# Altium PCB STM PCB.PcbDoc (part 1 of 3)
Units mm, origin at the board's own origin, x right, y up, seen from the top; angles counter-clockwise.
Board outline 66 x 113.5 mm, 4 copper layers (L1, GND, PWR, L2), stack 0.603 mm thick; 161 components, 199 nets, 817 pads, 466 vias.
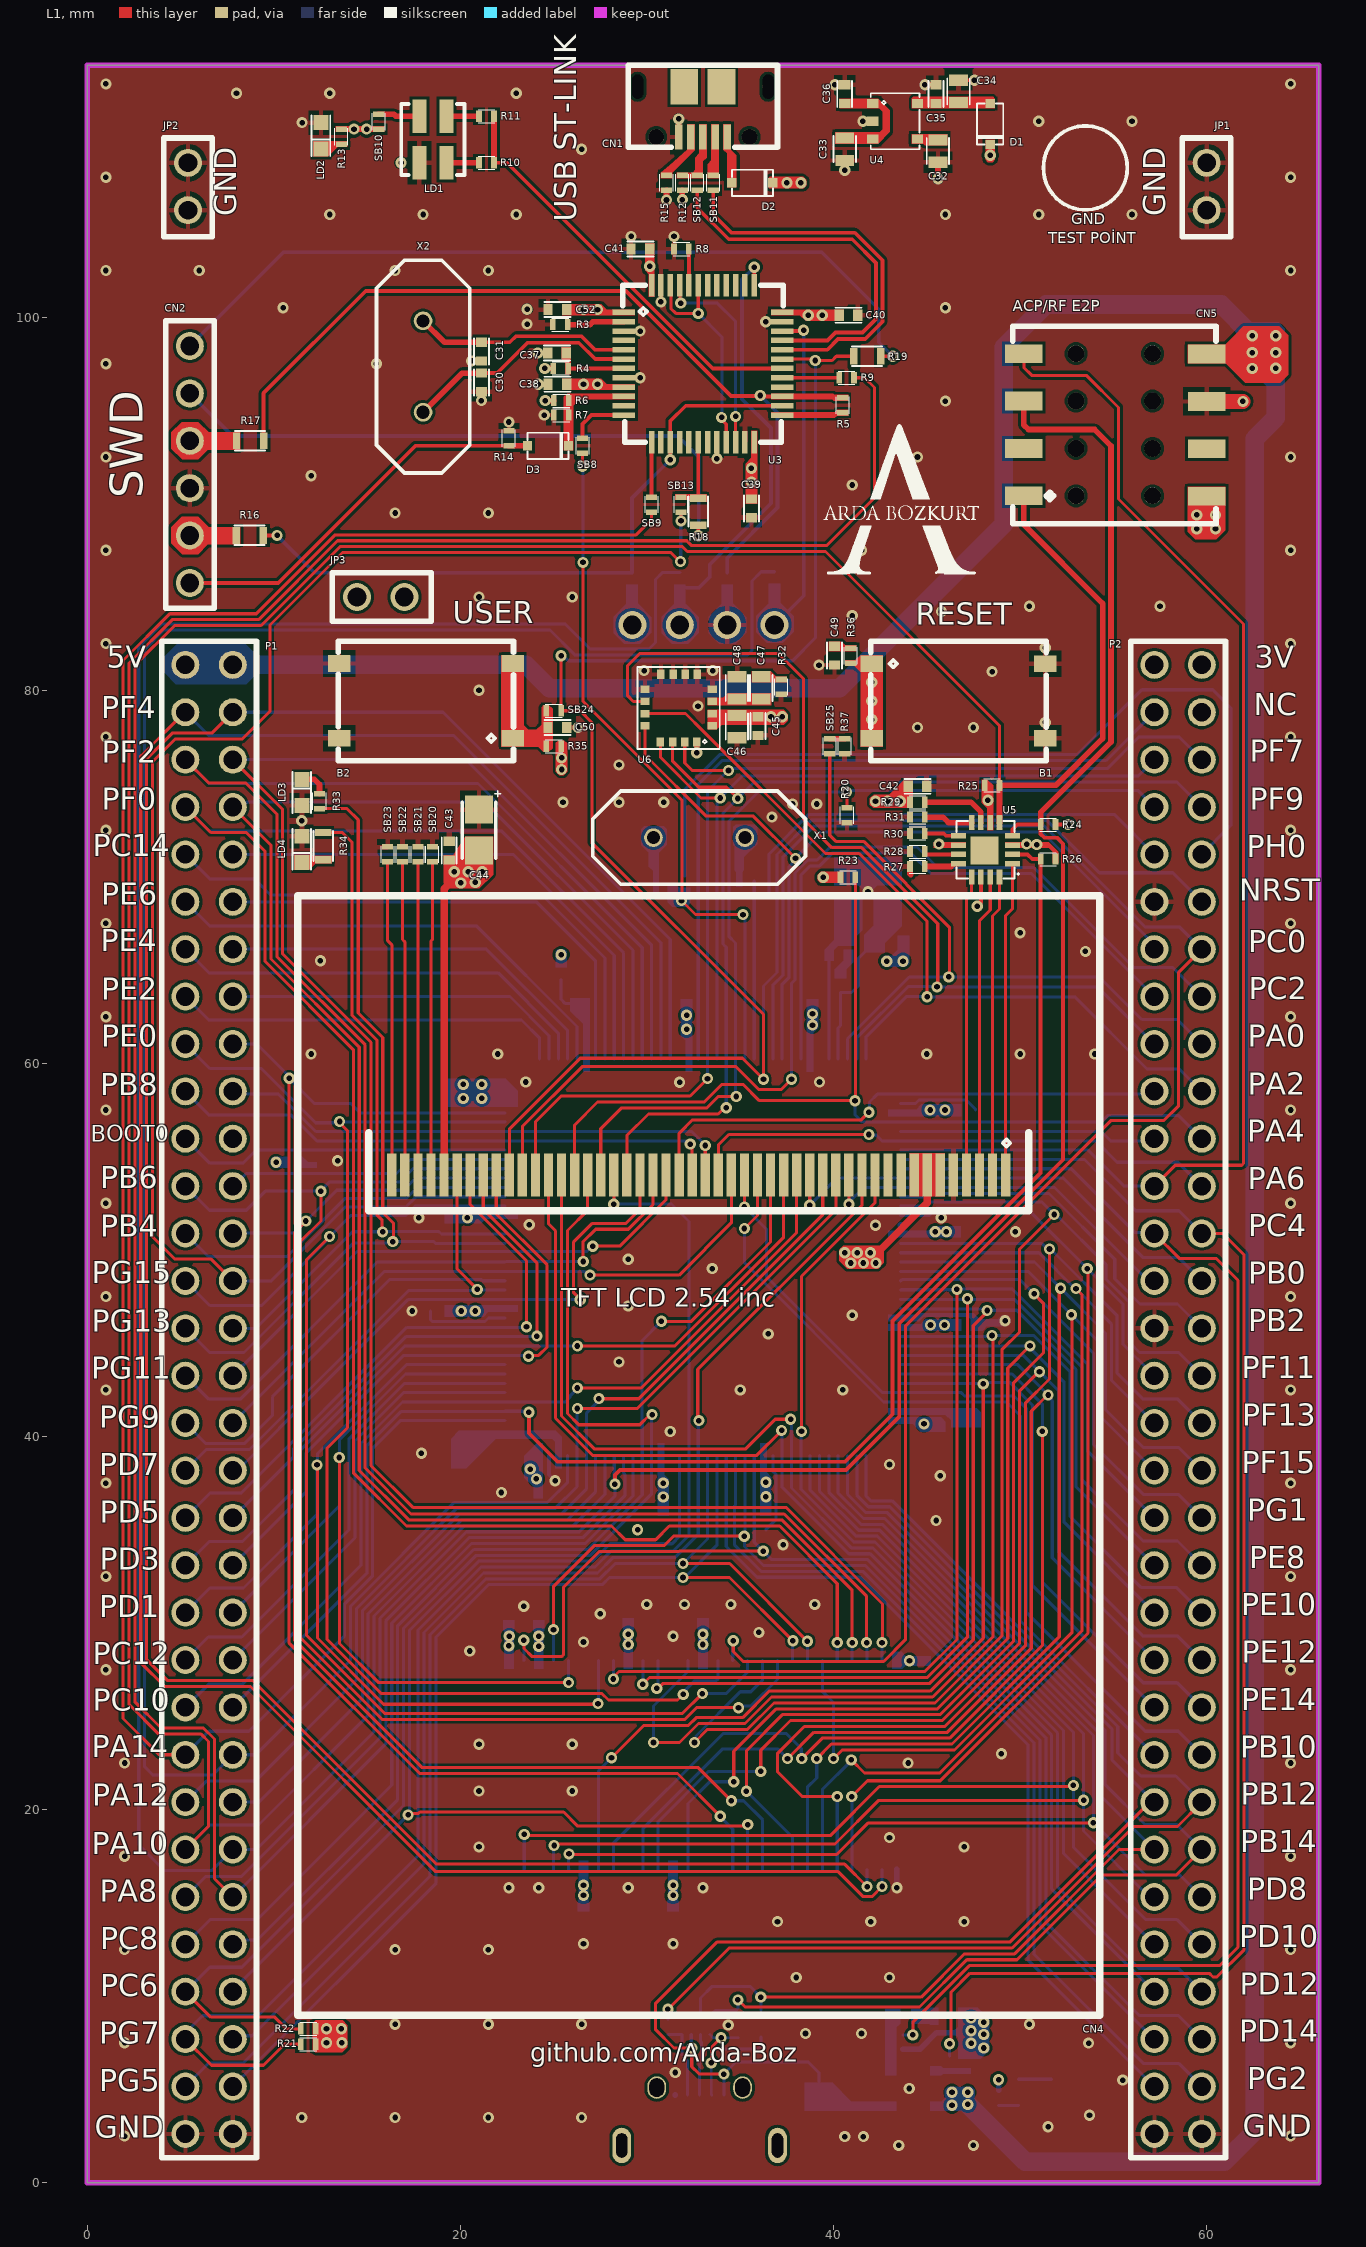
[diagram p0: L1 view]
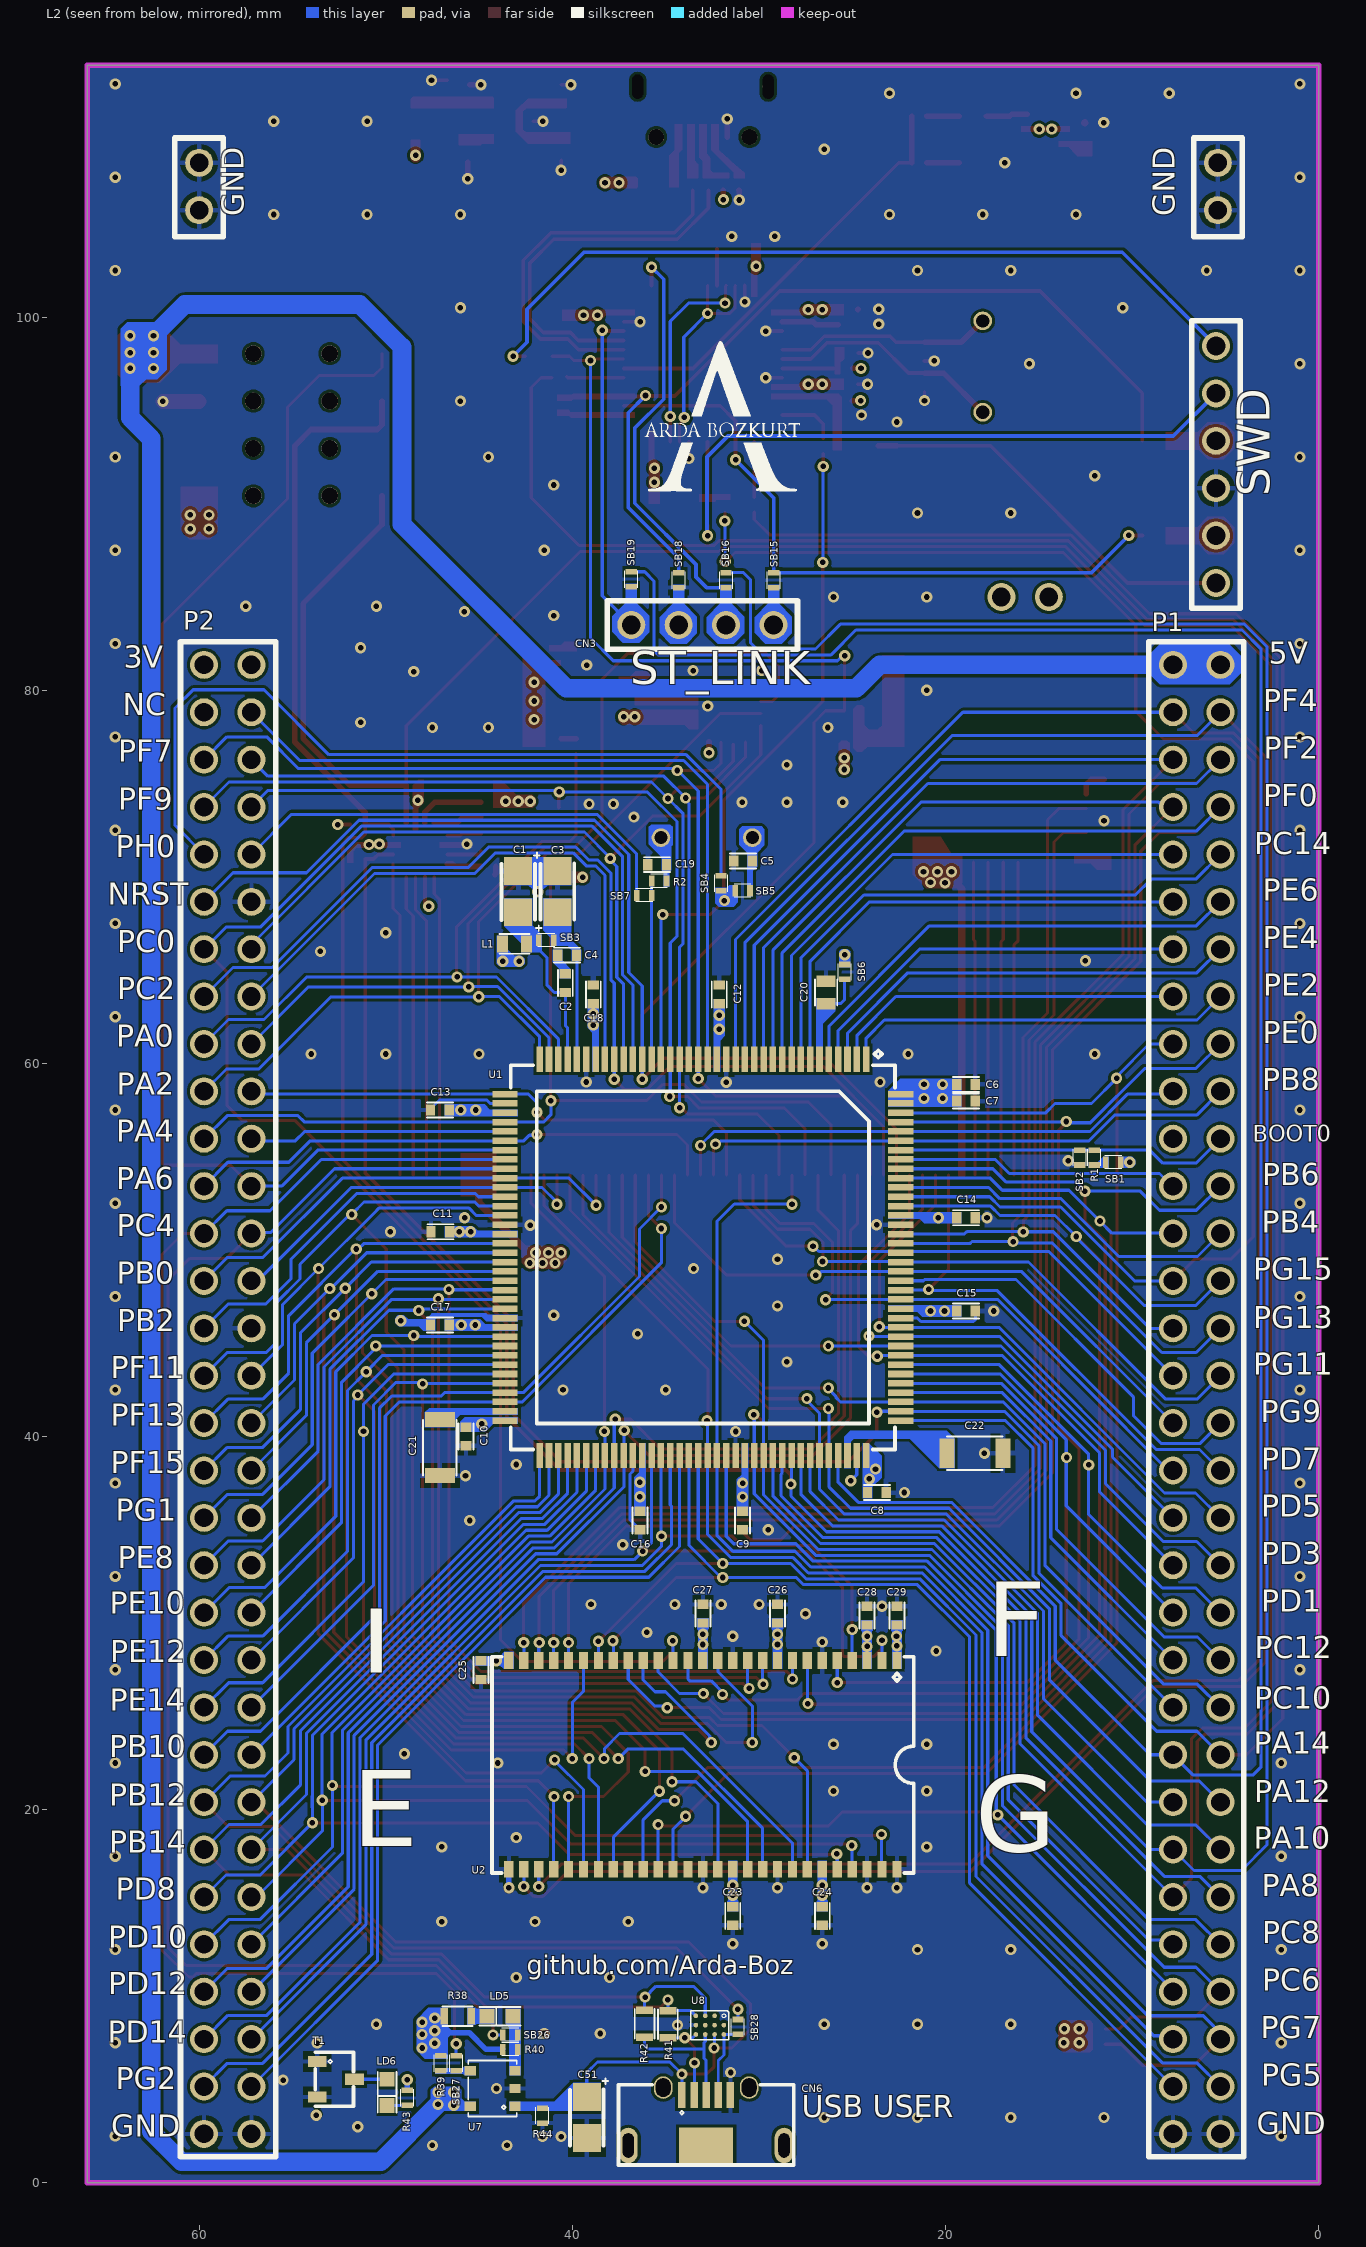
[diagram p1: L2 view, seen from below]
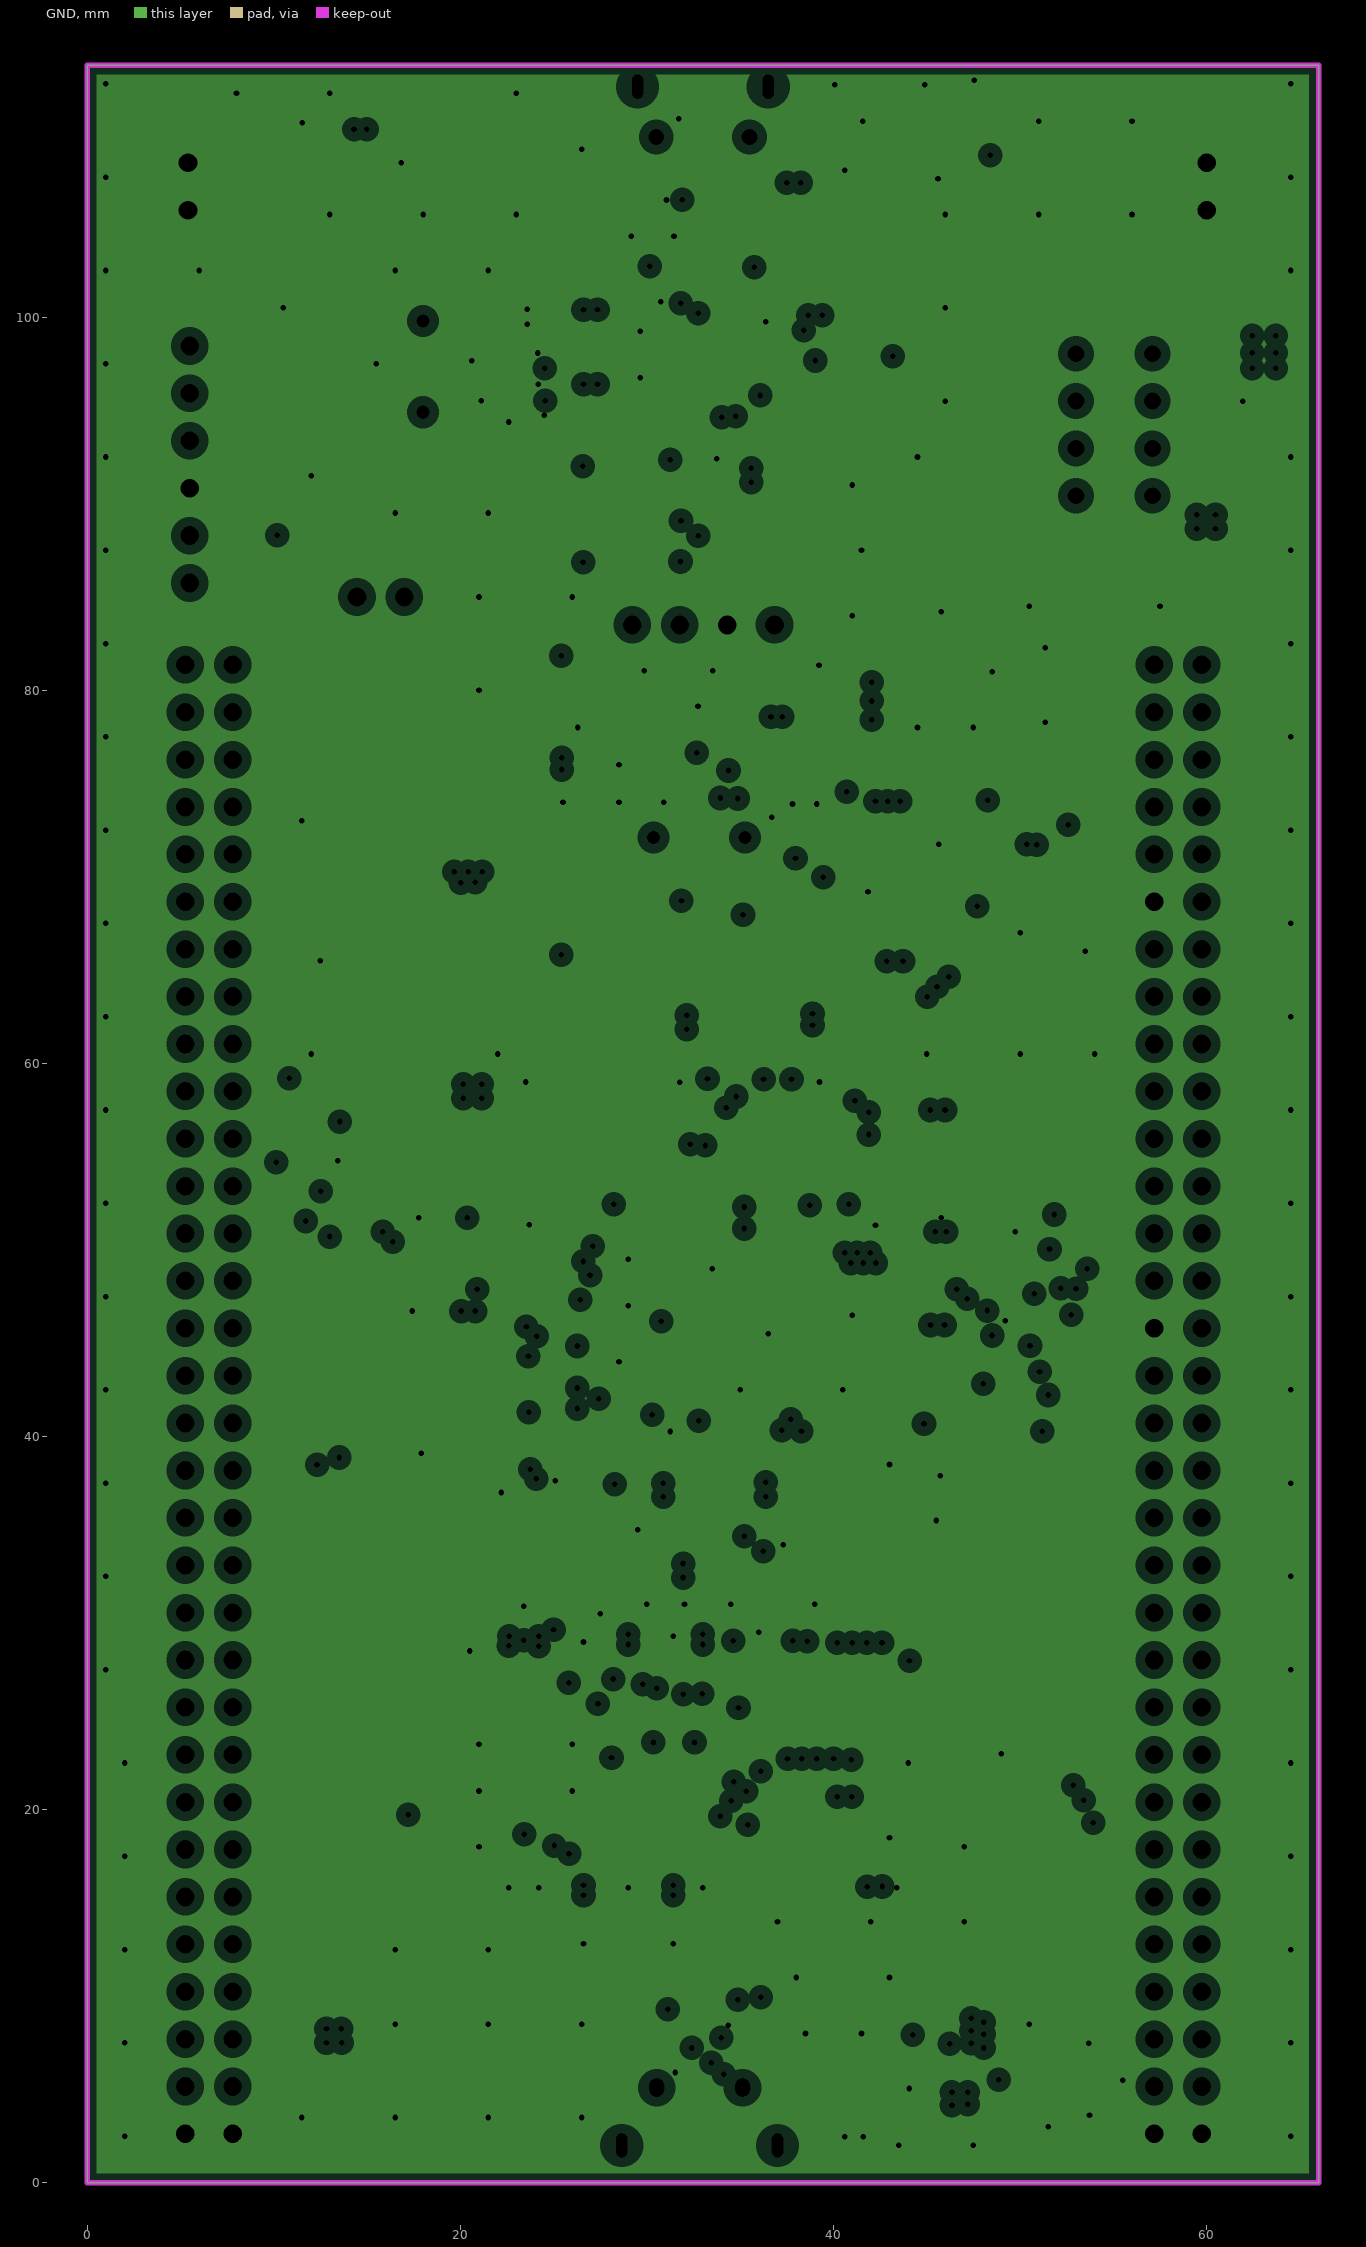
[diagram p2: GND, clearances drawn from the general rule]
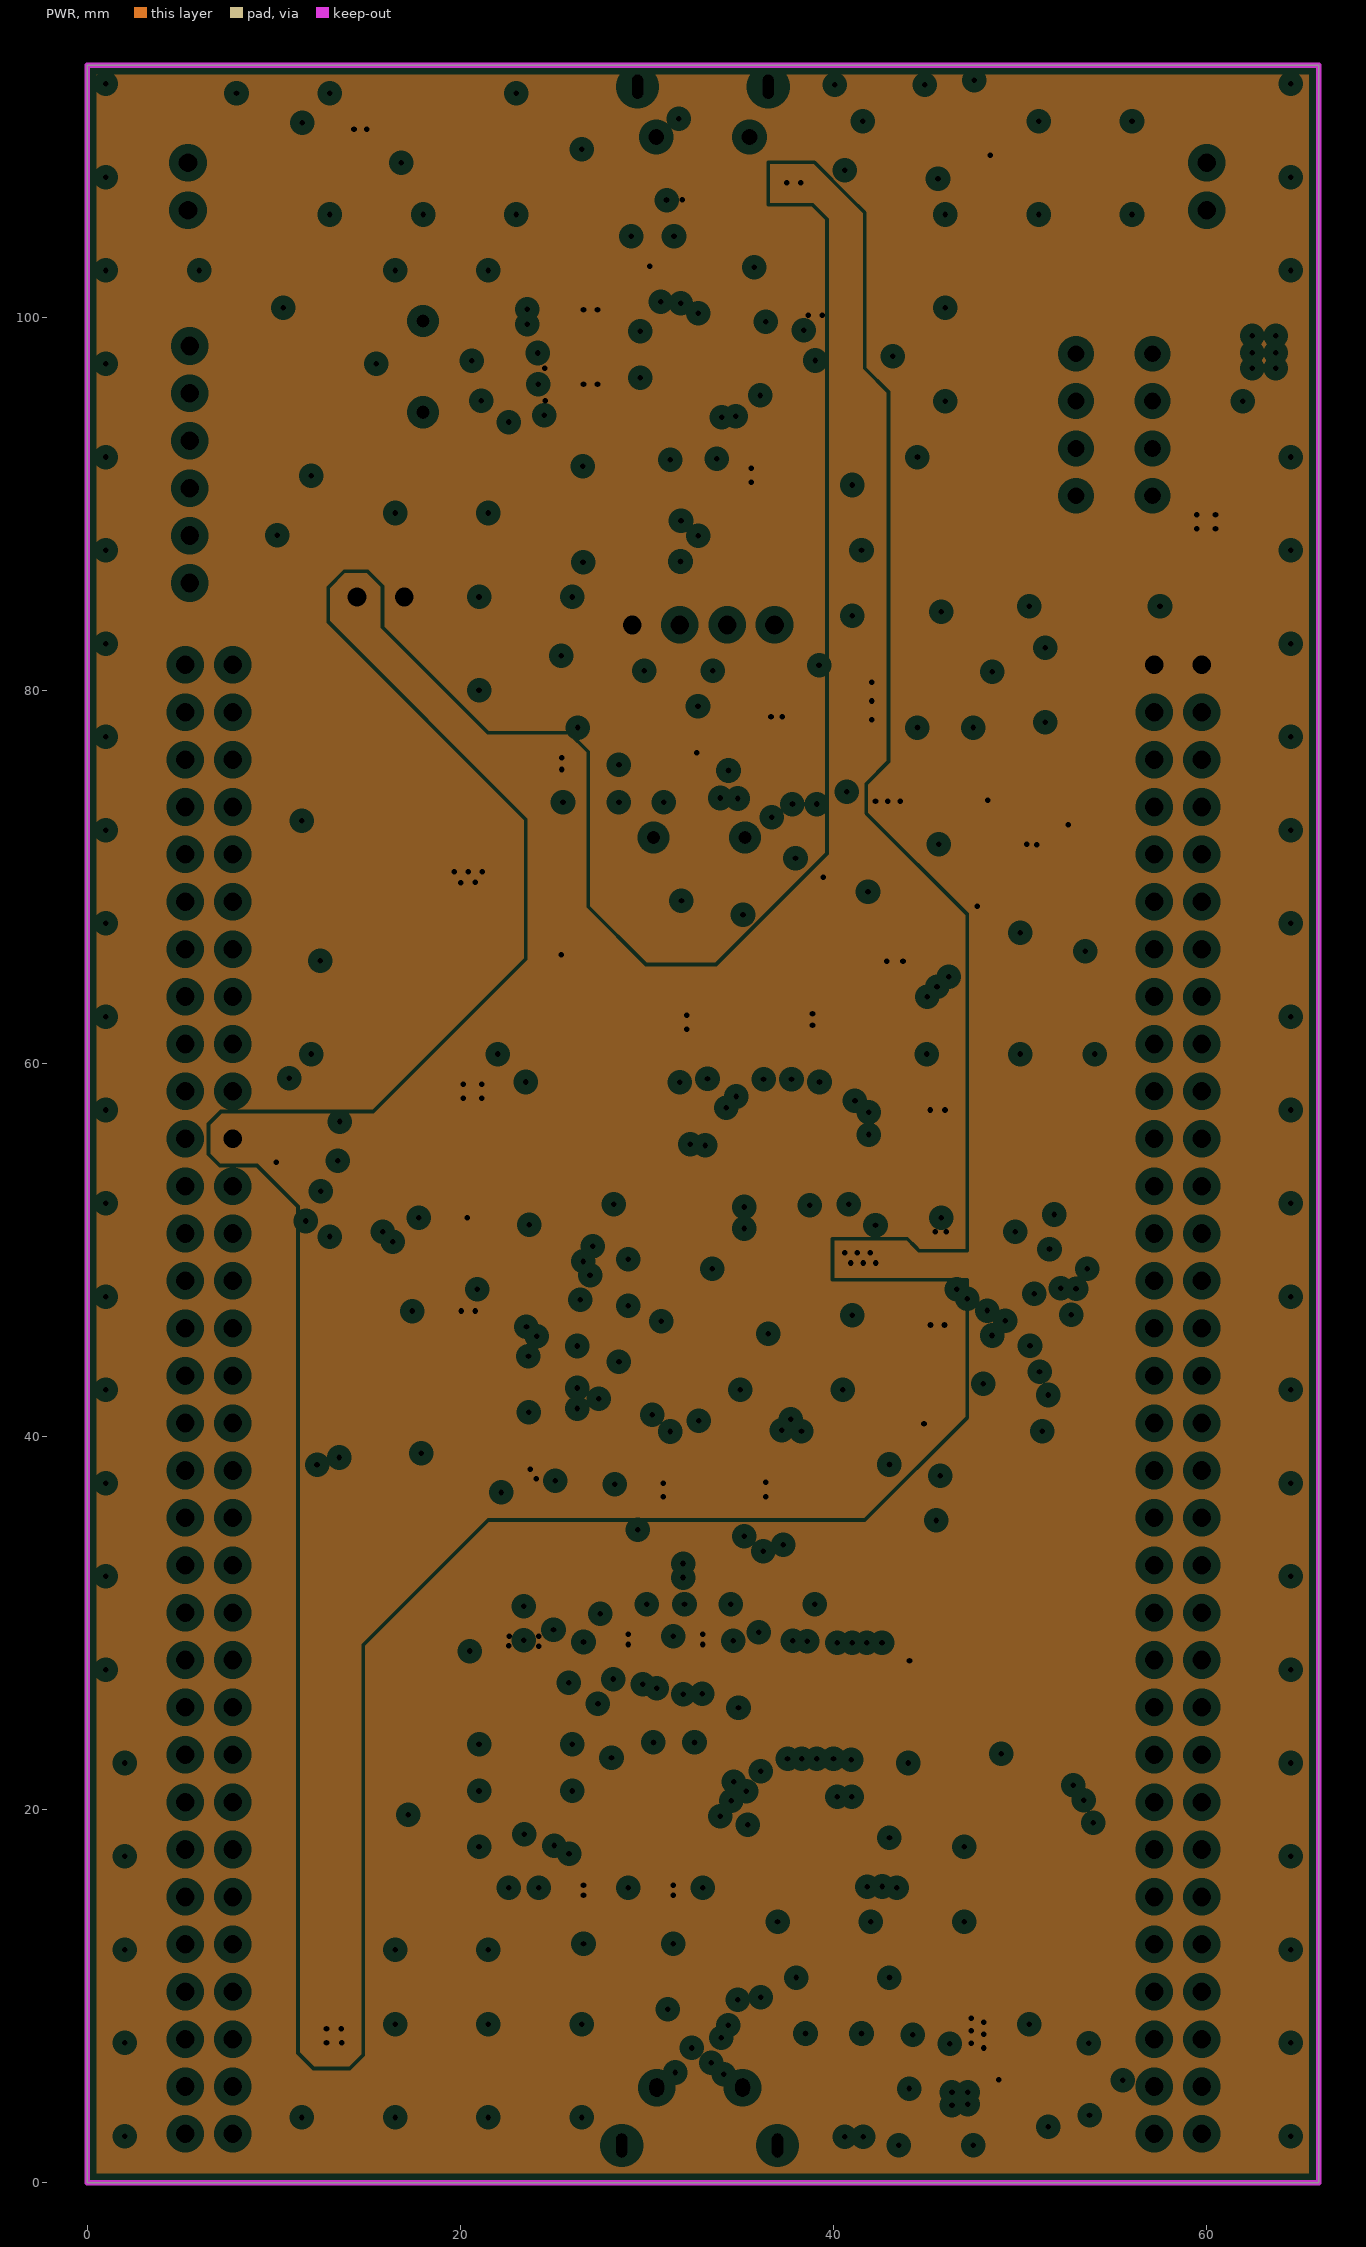
[diagram p3: PWR, clearances drawn from the general rule]
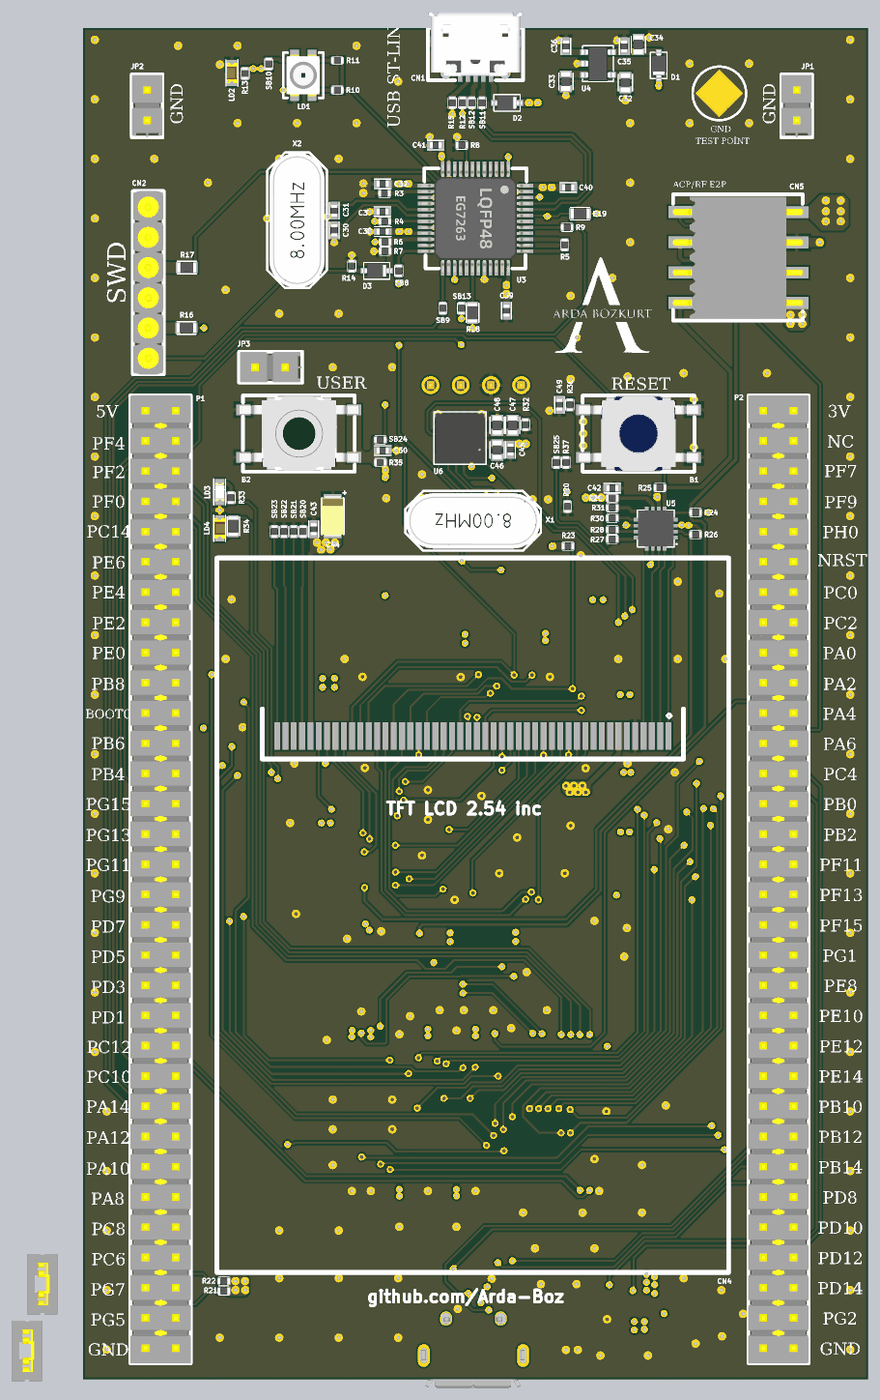
[diagram p6: 3D render of the assembled board from above, using the file's embedded part models]
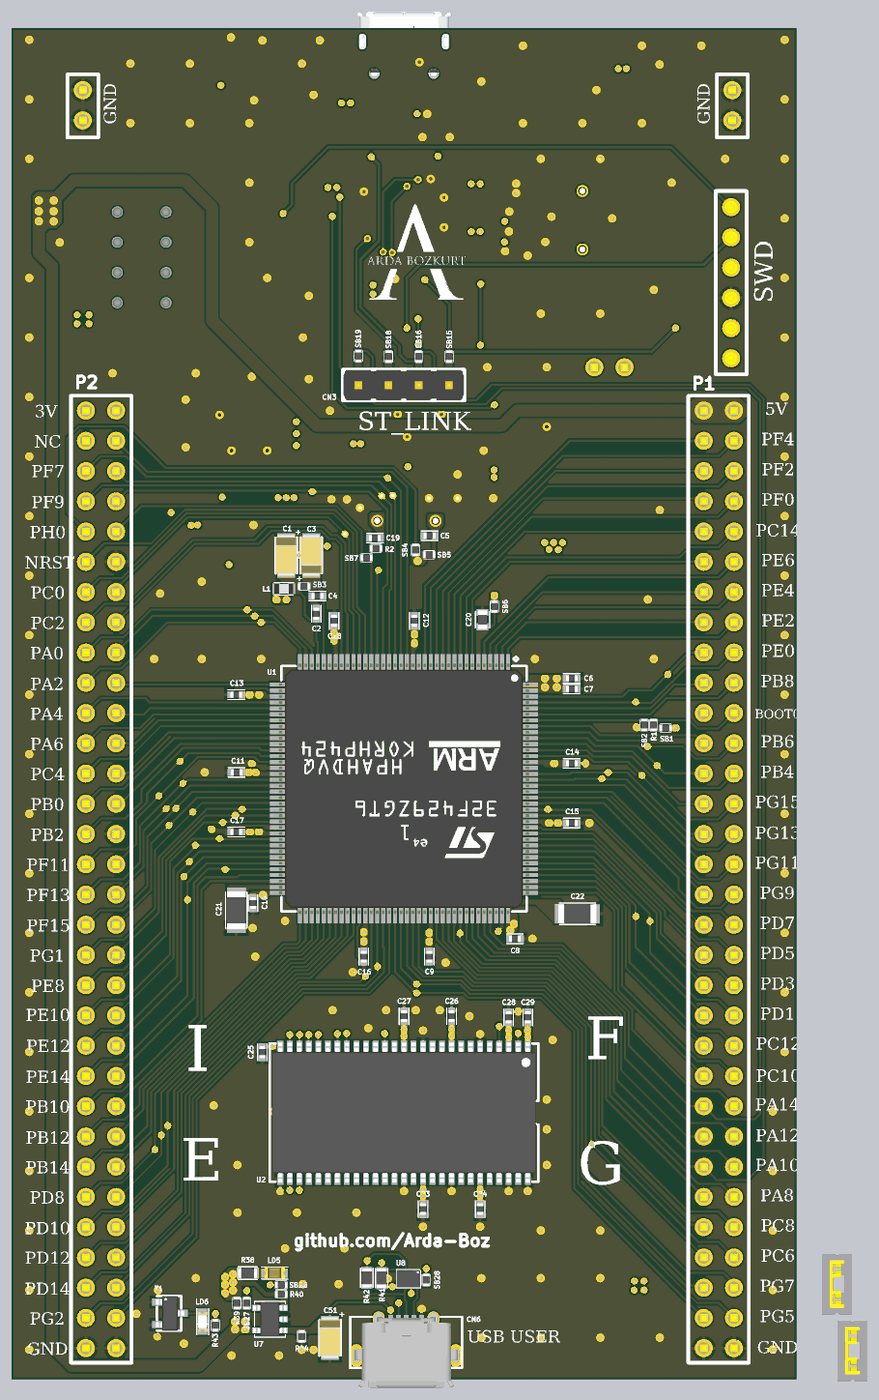
[diagram p7: 3D render of the assembled board from below, using the file's embedded part models]

## Layer stack, top to bottom
Top Solder: solder mask 0.0102, Solder Resist, Dk 3.5
L1: signal copper 0.0356
Dielectric 2: prepreg 0.0711, PP-006, Dk 4.1
GND: plane copper 0.035, net GND
Dielectric 1: dielectric 0.32, FR-4, Dk 4.8
PWR: plane copper 0.035, net 3V
Dielectric 3: prepreg 0.0711, PP-006, Dk 4.1
L2: signal copper 0.0356
Bottom Solder: solder mask 0.0102, Solder Resist, Dk 3.5

## Board outline
0,0 66,0 66,113.5 0,113.5

## Design rules (kind name [scope] priority, off if disabled: settings)
Clearance Clearance_C1 [TouchesRoom('RoomDefinition_C1') vs IsBoardOutline] p1: gap=0.3 ignorepadtopadclearanceinfootprint=FALSE
Clearance Clearance_KeepOut [IsKeepOut] p2: gap=0 ignorepadtopadclearanceinfootprint=FALSE
Clearance "Clearance_Poly-Poly L3" [InPolygon and OnLayer('PWR') vs InPolygon and OnLayer('PWR')] p3: gap=0.5 ignorepadtopadclearanceinfootprint=FALSE
Clearance "Clearance_Poly-Hole L3" [InPolygon and OnLayer('PWR')] p4: gap=0.15 ignorepadtopadclearanceinfootprint=FALSE
Clearance Clearance_CN1 [IsPad and (Name = 'CN1-6') vs IsKeepOut] p5: gap=0 ignorepadtopadclearanceinfootprint=FALSE
Clearance CopperToBoard [InPolygon vs IsBoardOutline] p6: gap=0.5 ignorepadtopadclearanceinfootprint=FALSE
Clearance "Clearance_Pont citroen" [HasFootprint ('JP2_SMD') and IsComponentPrimitive and IsRegion vs HasFootprint ('JP2_SMD')and IsComponentPrimitive and IsRegion or IsTrack or InPolygon or IsVia] p7: gap=0.1 ignorepadtopadclearanceinfootprint=FALSE
Clearance [All] p8: gap=0.15 ignorepadtopadclearanceinfootprint=FALSE
PlaneClearance [All] p1: clearance=0.508
PlaneConnect [All] p1: planeconnectstyle=Relief reliefexpansion=0.508 reliefentries=4 reliefconductorwidth=0.254 reliefairgap=0.254
PolygonConnect [All] p1: thpad.connectstyle=Relief thpad.reliefconductorwidth=0.254 thpad.reliefentries=4 thpad.polygonreliefangle="90 Angle" thpad.airgapwidth=0.21 smdpad.connectstyle=Relief smdpad.reliefconductorwidth=0.254 smdpad.reliefentries=4 smdpad.polygonreliefangle="90 Angle" smdpad.airgapwidth=0.21 via.connectstyle=Direct via.reliefconductorwidth=0.254 via.reliefentries=4 via.polygonreliefangle="90 Angle" via.airgapwidth=0.254
PolygonConnect PolygonConnect_P1_P2 [IsPad and ((Name ='P2-1') or (Name = 'P2-2') or (Name = 'P1-22'))] p2: connectstyle=Relief reliefconductorwidth=0.254 reliefentries=4 polygonreliefangle="90 Angle" airgapwidth=0.21
PolygonConnect PolygonConnect_T1 [IsPad And (Name = 'T1_2')] p3: thpad.connectstyle=Relief thpad.reliefconductorwidth=0.254 thpad.reliefentries=4 thpad.polygonreliefangle="90 Angle" thpad.airgapwidth=0.254 smdpad.connectstyle=Relief smdpad.reliefconductorwidth=0.254 smdpad.reliefentries=4 smdpad.polygonreliefangle="90 Angle" smdpad.airgapwidth=0.21 via.connectstyle=Relief via.reliefconductorwidth=0.254 via.reliefentries=4 via.polygonreliefangle="90 Angle" via.airgapwidth=0.254
PolygonConnect PolygonConnect_JP3 [IsPad and ((Name = 'JP3-1') or (Name = 'JP3-2'))] p4: connectstyle=Relief reliefconductorwidth=0.254 reliefentries=4 polygonreliefangle="90 Angle" airgapwidth=0.15
PolygonConnect "PolygonConnect_Via Comp" [HasFootprint('VIA')] p5: connectstyle=Direct reliefconductorwidth=0.254 reliefentries=4 polygonreliefangle="90 Angle" airgapwidth=0.254
RoutingVias [All] p1: holewidth=0.3 width=0.6 viastyle="Through Hole" minholewidth=0.3 minwidth=0.6 maxholewidth=0.3 maxwidth=0.6
SMDEntry [All] p1: side=TRUE corner=TRUE anyangle=TRUE
SMDToCorner [All] p1: distance=0
SMDToPlane [All] p1: distance=0
SolderMaskExpansion SolderMaskExpansion_Via [HasFootprint ('via') or IsVia] p1: expansion=-1 istentingtop=FALSE
SolderMaskExpansion [All] p2: expansion=0.05 istentingtop=FALSE
Width [All] p1: maxlimit=2 minlimit=0.15 preferedwidth=0.165 minimp=50.000000 maximp=50.000000 favimp=50.000000
28 further rules are at their usual default settings.
